# Altium PCB AMC_Box_Mainboard.PcbDoc (part 6 of 8) (continued)
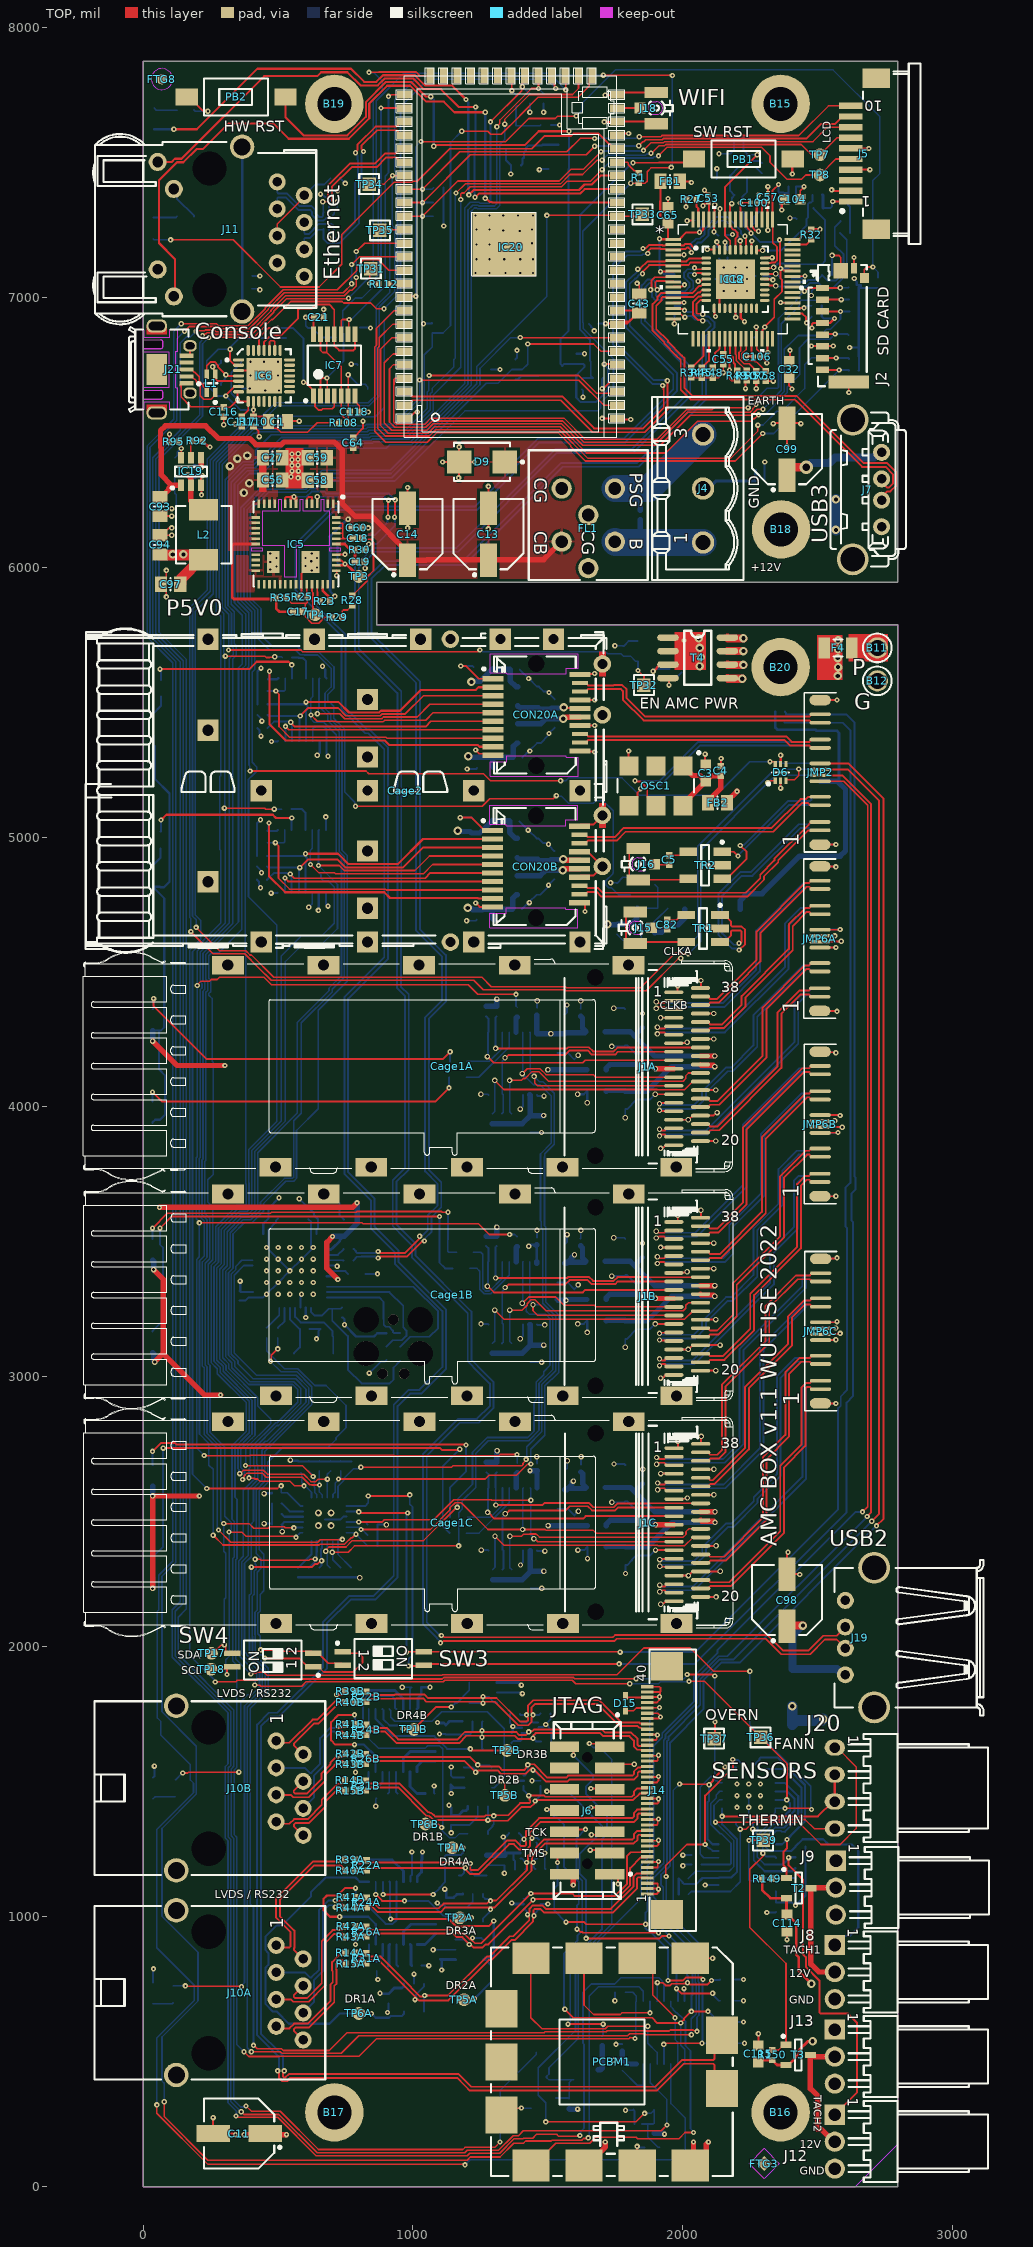
[diagram p0: TOP view]
## Nets (pads, with @x,y where several pads share a name; then routed paths per layer and width w, separated by ;. In a path a pad name is that pad's centre, name@x,y a point inside that pad or via, vN(x,y) a via of type N, cw(c..) or ccw(c..) an arc to the next point about the centre after c; other vN are vias at no path point) (continued)
  BTM w10: v1(877.95,716.54) 881.89,716.54 883.86,714.57 C7A.2@909.45,714.57 930.8,735.91 959.72,735.91 966.54,742.72 IC13A.1@966.54,751.97 ; IC10B.16@1014.76,1769.69 1018.62,1773.54 1018.62,1809.96 1030.32,1821.65 C67B.2@1030.32,1850.39 v1(1062.99,1850.39) ; IC10A.16@1015.95,1129.92 1015.95,1149.61 1031.5,1165.16 C67A.2@1031.5,1210.63 1033.58,1212.71 1033.58,1238.3 v1(1035.43,1240.16) ; v1(1091.16,1719.86) 1093.78,1719.86 1095.81,1717.83 1114.84,1717.83 C9B.2@1122.05,1710.63 1135.83,1724.41 IC4B.1@1183.07,1724.41 ; C8A.2@1102.36,842.52 C8A.2@1103.35,841.54 ; v1(1106.3,803.15) 1106.3,838.58 C8A.2@1103.35,841.54 ; v1(1118.11,1102.36) 1123.23,1097.24 C9A.2@1123.23,1070.87 1150.79,1070.87 1163.3,1083.38 1182.98,1083.38 IC4A.1@1184.25,1084.65 ; v1(1133.86,1413.39) 1133.86,1410.93 1141.73,1403.05 C7B.2@1141.73,1375.98 1169.29,1375.98 1186.1,1392.8 1195.94,1392.8 1202.76,1399.61 IC13B.1@1202.76,1409.45 ; C8B.2@1140.55,1488.19 C8B.2@1141.14,1487.6 ; v1(1141.73,1456.69) 1141.14,1457.28 C8B.2@1141.14,1487.6 ; IC11A.1@1157.48,840.55 1156.5,841.54 C8A.2@1103.35,841.54 ; IC11B.1@1188.98,1478.35 1150.39,1478.35 C8B.2@1141.14,1487.6 ; IC2B.1@1311.02,1868.11 1391.73,1868.11 v1(1401.57,1858.27) ; v1(1334.65,1295.28) 1334.65,1292.65 1339.76,1287.54 C6A.2@1339.76,1228.35 1347.64,1236.22 1372.64,1236.22 D3A.5@1397.64,1236.22 ; v1(1366.14,1051.18) 1370.08,1047.24 D4A.5@1409.84,1047.24 ; v1(1370.08,1704.72) 1374.02,1704.72 1377.95,1700.79 D3B.5@1401.97,1700.79 ; v1(1385.83,1503.94) D4B.5@1409.84,1503.94 ; v1(1429.13,3484.25) 1434.49,3489.61 1447.16,3489.61 ; IC14B.16@1458.84,3426.62 1458.84,3477.93 1447.16,3489.61 ; C36B.1@1459.82,3489.61 1447.16,3489.61 ; R96.2@2517.5,7379 2519,7377.5 2519,7331.5 R77.2@2520.5,7330
  BTM w20: v2(35.43,2216.54) 36.36,2217.48 LD7C.1@36.36,2252.2 ; v2(35.43,2559.06) 36.36,2560 LD6C.2@36.36,2594.72 ; v2(35.43,4244.09) LD6A.2@35.43,4283.46 ; LD7B.1@35.55,3090.24 39.33,3086.46 39.33,3059.12 v2@43.31,3055.14 ; LD6B.2@35.55,3432.76 39.33,3428.98 39.33,3397.7 v2(39.37,3397.64) ; v4(1166,5023) 1168.2,5020.8 1211.31,5020.8 1217.08,5015.03 1247.48,5015.03 1292.76,5060.31 1356.26,5060.31 C50B.1@1358.46,5058.11 1358.46,5016.77 1380.12,4995.12 FB6B.1@1386.02,4995.12 ; v4(1202.95,4737.24) 1205.15,4735.04 1218.4,4735.04 1222.11,4731.34 1256.44,4731.34 1258.41,4733.31 1294.49,4733.31 ; v4(1204.72,5299.21) 1207.84,5299.21 1211.77,5295.28 1296.26,5295.28 ; v4(1216.54,5574.8) 1218.74,5577 1249.25,5577 1294.53,5622.28 1358.03,5622.28 C50A.1@1360.24,5620.08 1360.24,5578.74 1381.89,5557.09 FB6A.1@1387.8,5557.09 ; R86A.2@1270.73,4372.6 R6A.2@1310.1,4372.6 1311.01,4373.51 v2(1311.02,4399.56) ; R86B.2@1270.85,3521.89 R6B.2@1310.22,3521.89 1310.22,3553.86 v2(1311.14,3554.8) ; R86C.2@1271.65,2683.86 R6C.2@1311.02,2683.86 1311.02,2725.48 v2(1311.95,2726.43) ; IC2A.1@1272.83,1228.35 C6A.2@1339.76,1228.35 ; R74A.2@1294.35,3937.96 R80A.2@1329.78,3937.96 R12A.2@1365.22,3937.96 1404.78,3937.96 1435.1,3968.27 C33A.2@1436.08,3968.27 ; R74B.2@1294.47,3087.25 R80B.2@1329.9,3087.25 R12B.2@1365.33,3087.25 1404.9,3087.25 1435.22,3117.56 C33B.2@1436.2,3117.56 ; R74C.2@1295.28,2249.21 R80C.2@1330.71,2249.21 R12C.2@1366.14,2249.21 1405.71,2249.21 1436.02,2279.53 C33C.2@1437.01,2279.53 ; C48B.2@1299.41,4693.94 1294.49,4698.86 1294.49,4733.31 ; C48A.2@1301.18,5255.91 1296.26,5260.83 1296.26,5295.28 ; FB5B.1@1386.02,4786.46 1383.15,4786.46 1370.51,4773.82 1370.51,4735.51 C49B.1@1368.31,4733.31 1294.49,4733.31 ; FB5A.1@1387.8,5348.43 1384.92,5348.43 1372.28,5335.79 1372.28,5297.48 C49A.1@1370.08,5295.28 1296.26,5295.28 ; IC14A.2@1433.13,4045.04 1434.27,4043.9 1434.27,3970.08 C33A.2@1436.08,3968.27 ; IC14B.2@1433.25,3194.33 1434.39,3193.19 1434.39,3119.37 C33B.2@1436.2,3117.56 ; v1(1433.81,2652.81) 1434.42,2652.19 1460.01,2652.19 C36C.1@1460.63,2651.57 1459.65,2650.59 IC14C.16@1459.65,2588.58 ; IC14C.2@1434.06,2356.3 1435.2,2355.16 1435.2,2281.34 C33C.2@1437.01,2279.53 ; IC14B.16@1458.84,3421.85 IC14B.16@1458.84,3426.62 ; C36B.1@1458.84,3488.62 C36B.1@1459.33,3489.12 ; C36A.1@1459.71,4340.32 1458.72,4339.33 IC14A.16@1458.72,4277.33 1458.72,4272.56 1459.86,4271.42 v2(1510.97,4271.42) C16A.1@1562.07,4271.42 1566.01,4275.36 1636.87,4275.36 FB7A.1@1640.81,4279.29 1628.17,4291.93 1628.17,4329.33 C34A.1@1621.12,4336.38 ; v2(1484.25,3968.5) 1484,3968.27 C33A.2@1436.08,3968.27 ; v2(1484.37,3117.79) 1484.11,3117.56 C33B.2@1436.2,3117.56 ; v2(1485.18,2279.76) 1484.92,2279.53 C33C.2@1437.01,2279.53 ; v2(1500,4137.8) 1534.29,4137.78 C25A.2@1534.51,4137.56 FB3A.1@1644.75,4137.56 ; v2@1500.94,2449.04 1535.21,2449.04 C25C.2@1535.43,2448.82 FB3C.1@1645.67,2448.82 ; C25B.2@1534.63,3286.85 1538,3283.48 v2(1566.93,3283.46) ; v2@1566.93,3286.85 FB3B.1@1644.86,3286.85 ; R70.2@1578.74,288.58 1579.92,287.4 v1(1610.24,287.4) ; v2(1594.49,2614.17) 1589.41,2609.09 1589.41,2602.2 1569.88,2582.68 C16C.1@1562.99,2582.68 1566.93,2586.61 1637.8,2586.61 FB7C.1@1641.73,2590.55 1629.09,2603.19 1629.09,2640.59 C34C.1@1622.05,2647.64 ; v2(1598.43,3452.76) 1588.6,3442.93 1588.6,3440.24 1569.08,3420.71 C16B.1@1562.19,3420.71 1566.12,3424.65 1636.99,3424.65 FB7B.1@1640.93,3428.58 1628.29,3441.22 1628.29,3478.62 C34B.1@1621.24,3485.67 ; v4(1720.47,4677.17) 1722.44,4675.2 C29.2@1755.91,4675.2 1758.11,4677.4 1790.59,4677.4 1796.26,4683.07 T6.2@1805.12,4683.07 1813.98,4683.07 1829.29,4698.39 1829.29,4734.8 R53.2@1830.71,4736.22 ; v1(1744.09,468.5) 1774.41,468.5 R68.2@1775.59,467.32 ; C81.2@1775.59,501.97 R68.2@1775.59,467.32 ; IC17.16@1827.76,454.72 1795.63,454.72 1784.45,465.91 1777.01,465.91 R68.2@1775.59,467.32 ; R88.2@1893.7,198.03 1928.41,198.03 v1(1931.71,194.73)
  other v2: 1500.92,2449.05
  other v4: 374.02,6275.59 393.7,6311.02 322.28,6374.57 349.83,6402.13 385.83,6413.39
P3V3_CLEAN: C3.2 C4.2 FB2.2 OSC1.1 OSC1.6 | length 419.1
  TOP w7: OSC1.6@2000,5116.14 OSC1.6@2025.43,5141.57
  TOP w20: OSC1.1@2000,5263.78 2035.78,5228 2062.75,5228 2075.35,5215.39 2075.35,5214.41 2084.06,5205.71 C3.2@2085.04,5205.71 ; OSC1.6@2025.43,5141.57 2025.43,5147.09 2084.55,5206.2 2105.71,5227.36 C4.2@2140.16,5227.36 2140.16,5180.12 2092.91,5132.87 FB2.2@2092.91,5126.97
P5V0: C10.2 C94.2 C97.2 F1.1 F2.1 IC21.2 IC21.7 L2.2 R94.2 | length 2176.8
  TOP w20: v1(61,3628) 61.43,3628.43 776.43,3628.43 v1(793,3645) ; v1(702,3520) 680.81,3498.81 680.81,3402.19 v1(722,3361)
  TOP w40: C94.2@62.99,6047.24 65.63,6044.61 207.36,6044.61 L2.2@224.41,6027.56 211.61,6027.56 140.43,5956.38 140.43,5939.65 C97.2@137.8,5937.01
  BTM w6: v4@110.24,6051.18 123.87,6064.81 123.87,6267.62 118.03,6273.46 R94.2@118.03,6367.8
  BTM w10: IC21.7@680.81,3373.31 680.89,3373.24 707.14,3373.24 719.38,3361 v1(722,3361) ; IC21.2@680.81,3471.74 696.4,3471.74 701.44,3476.78 702.63,3476.78 729.31,3503.47 729.31,3506.8 743.02,3520.5 C10.2@744,3520.5
  BTM w20: v1(702,3520) 702.5,3520.5 C10.2@743.02,3520.5 ; C10.2@744,3520.5 744.98,3520.5 793,3568.52 v1(793,3645)
  BTM w40: v4(2405.51,1779.53) F1.1@2405.51,1712.01 2420.55,1727.05 2514.45,1727.05 v4(2519.69,1732.28) ; v4(2566.93,6137.8) 2566.93,6196.26 F2.1@2562.99,6200.2 2566.93,6204.13 v4(2566.93,6250.98)
  other v4: 110.24,6047.24 149.61,6047.24
P12V: C13.1 C14.1 C30.2 C58.2 C59.2 C60.2 C64.2 C93.2 C114.2 C115.2 D9.1 FL1.2 IC5.1 IC5.2 IC5.39 IC5.52 IC19.1 R23.2 R109.2 R149.2 R150.2 T2.2 T3.2 T4.1 T4.2 T4.3 | length 3711.9
  TOP w10: IC5.39@665.35,5925.28 665.35,5914.05 686.09,5893.32 686.09,5879.42 R23.2@692.5,5873 ; R23.2@692.5,5873.79 v1(710.88,5892.16) ; v1(1889.76,5614.17) 1890.92,5614.17 1915.72,5638.98 T4.3@1944.88,5638.98 2042.13,5638.98 2043.31,5637.8 ; T4.1@1944.88,5738.98 1947.56,5736.3 1993.37,5736.3 2001.32,5728.35 v1(2003.94,5728.35) ; C115.2@2279.53,460.63 2288.58,469.69 R150.2@2330.71,469.69 2331.5,469.69 2337.91,463.27 2337.91,462.48 2349.61,450.79 T3.2@2381.89,450.79 2390.75,450.79 2429.13,489.17 2429.13,503.94 2464.57,539.37 v4(2480.32,539.37) ; R149.2@2293.7,1141.73 2293.7,1100 2324.8,1068.9 T2.2@2383.86,1068.9 2383.86,1009.84 C114.2@2385.83,1007.87 2386.81,1007.87 2420.35,974.33 2420.35,859.17 2429.13,850.39 2429.13,799.21 v4(2476.38,751.97)
  TOP w20: C93.2@62.99,6259.84 68.9,6259.84 94.58,6285.53 94.58,6291.43 106.3,6303.15 ; IC19.1@140.16,6303.15 106.3,6303.15 ; FL1.2@1551.18,6094.49 1484.25,6027.56 1052.53,6027.56 1047.22,6025.96 1041.3,6025.62 cw(c1040.16,6045.59) 1040.16,6025.59 C14.1@980.32,6025.59 980.31,6056.1 847.87,6188.55 785.22,6188.55 738.03,6235.74 738.03,6435.2 709.49,6463.74 522.29,6463.74 512.45,6453.9 418.42,6453.9 395.94,6476.38 279.53,6476.38 232.28,6523.62 82.68,6523.62 64.8,6505.75 64.8,6444.14 66.93,6442.02 66.93,6342.52 106.3,6303.15
  BTM w7.87: 692.91,5913.39 694.41,5911.89 694.41,5908.63 v1(710.88,5892.16)
  BTM w10: 690.94,6112.2 692.91,6114.17 ; 692.91,5913.39 692.91,6114.17 ; v1(759.84,6177.17) 755.91,6173.23 751.97,6173.23 708.66,6129.92 ; v1(1889.76,5614.17) 1899.61,5624.02 C30.2@1948.82,5624.02 ; R109.2@2002.76,5692.91 2003.35,5693.5 2003.35,5727.76 v1(2003.94,5728.35) ; 692.91,6114.17 708.66,6129.92 ; 692.91,6114.17 708.66,6129.92
  other v4: 2062,5633 2066.93,5665.35 2062.99,5700.79 2059.06,5736.22
P12V_1: J8.2 J9.2 T2.3 | length 475.1
  TOP w20: J8.2@2562.8,795.28 2503.94,795.28 2474.41,824.8 T2.3@2474.41,1106.3 2475.2,1107.09 2565.94,1107.09 J9.2@2566.73,1107.87
P12V_2: J12.2 J13.2 T3.3 | length 461.7
  TOP w20: J12.2@2562.8,166.93 2558.81,166.93 2513.14,212.6 2500,212.6 2500,335.71 2472.44,363.27 T3.3@2472.44,488.19 2481.3,488.19 2487.6,481.89 J13.2@2562.8,481.89
PDI: IC21.10 J17.4 | length 510.6
  BTM w7: IC21.10@680.81,3314.26 912.74,3314.26 964,3263 964,3183.62 975.78,3171.85 975.78,3152.15 959.4,3135.78 925.78,3135.78 J17.4@902,3112
PDO: IC21.11 J17.1 | length 378.3
  BTM w7: IC21.11@680.81,3294.57 874.43,3294.57 891,3278 891,3214 891.99,3213.01 891.99,3193.01 899.22,3185.78 911.85,3185.78 925.78,3171.85 925.78,3166.31 929.88,3162.21 J17.1@951.79,3162.21
PHY_RD_N: D7.3 IC20.E_RX- J11.6 | length 821.4
  TOP w7: v1(817.04,7539.48) 817.04,7541.91 809.02,7549.93 809.02,7560.22 867.19,7618.39 939.9,7618.39 944,7614.29 944,7610.89 954.5,7600.39 IC20.E_RX-@968.5,7600.39
  BTM w7: J11.6@597.24,7176.97 597.24,7215.87 601.34,7219.97 619.43,7219.97 649.39,7249.92 666.89,7249.92 D7.3@669.29,7252.32 ; D7.3@669.29,7252.36 669.29,7214.61 682.4,7201.5 729.17,7201.5 800,7272.33 800,7422.15 809.98,7432.13 809.98,7514.96 809.02,7515.93 809.02,7529.04 817.04,7537.06 v1(817.04,7539.48)
PHY_RD_P: D7.1 IC20.E_RX+ J11.4 | length 825.5
  TOP w7: v1(787,7535) 787,7537.43 795.02,7545.44 795.02,7566.02 861.39,7632.39 939.9,7632.39 944,7636.49 944,7639.89 954.5,7650.39 IC20.E_RX+@968.5,7650.39
  BTM w7: J11.4@597.24,7276.97 597.24,7238.07 601.34,7233.97 613.64,7233.97 651.48,7271.81 698.29,7271.81 706.26,7263.84 706.26,7254.77 D7.1@708.66,7252.36 708.66,7224.41 717.57,7215.5 723.37,7215.5 786,7278.13 786,7427.95 795.98,7437.93 795.98,7509.16 795.02,7510.13 795.02,7524.56 787,7532.57 v1(787,7535)
PHY_TD_N: D7.6 IC20.E_TX- J11.3 | length 750.1
  TOP w7: v1(719.68,7353.34) 719.43,7353.6 704.01,7353.6 699.91,7357.7 699.91,7408.57 773.38,7482.05 865.85,7482.05 901.8,7518 925.01,7518 925.4,7518.39 936.5,7518.39 954.5,7500.39 IC20.E_TX-@968.5,7500.39
  BTM w7: J11.3@497.24,7326.97 497.24,7365.87 501.34,7369.97 528.27,7369.97 574.99,7323.25 618.74,7323.25 625.39,7316.59 625.39,7304.99 646.85,7283.53 668.58,7283.53 680.17,7295.12 698.29,7295.12 703.11,7299.94 703.11,7303.7 708.66,7309.25 D7.6@708.66,7314.57 708.66,7319.88 719.68,7330.91 v1(719.68,7353.34)
PHY_TD_P: D7.4 IC20.E_TX+ J11.1 | length 726.2
  TOP w7: v1(666.14,7353.85) 666.4,7353.6 681.81,7353.6 685.91,7357.7 685.91,7414.37 767.59,7496.05 860.05,7496.05 896,7532 919.21,7532 919.6,7532.39 936.5,7532.39 954.5,7550.39 IC20.E_TX+@968.5,7550.39
  BTM w7: J11.1@497.24,7426.97 497.24,7388.07 501.34,7383.97 534.07,7383.97 580.79,7337.25 624.53,7337.25 639.39,7322.39 639.39,7310.79 652.65,7297.53 662.79,7297.53 666.89,7301.63 666.89,7312.16 D7.4@669.29,7314.57 667.72,7316.14 667.72,7352.28 v1(666.14,7353.85)
PROG_TRST: D12.3 R71.2 | length 99.3
  BTM w20: D12.3@1687.01,433.07 1694.88,433.07 1700.79,438.98 R71.2@1700.79,522.05
PSG: C63.1 FL1.3 J4.3 | length 503.7
  BTM w20: C63.1@1842.52,6210.63 1842.52,6259.06 1874.8,6291.34
  BTM w100: FL1.3@1748.03,6291.34 1874.8,6291.34 J4.3@2074.8,6491.34
PWM1: IC1.1 IC9.15 R149.1 T2.1 | length 745.9
  TOP w7.87: R149.1@2330.71,1141.73 2381.89,1141.73 T2.1@2383.86,1143.7 2383.86,1179.68 2373.5,1190.04 2373.5,1241.3 2385.56,1253.37 v1(2385.56,1286.53)
  BTM w7.87: IC9.15@2259.84,1547.24 2259.84,1557.09 2283.46,1580.71 2283.46,1585.94 2288.08,1590.55 2350.39,1590.55 2452.76,1488.19 2452.76,1374.02 2453.43,1373.34 2453.43,1366.82 2452.76,1366.14 2452.76,1354.33 2398.49,1300.06 2398.49,1299.46 v1(2385.56,1286.53) 2367.84,1268.81 IC1.1@2345.2,1268.81
PWM2: IC1.3 IC9.1 R150.1 T3.1 | length 1293.2
  TOP w6: v1(2296.24,1235.25) 2298.86,1232.64 2298.86,1227.66 2299.41,1227.11 2248.03,1175.74 2248.03,960.63 2381.89,826.77 T3.1@2381.89,525.59 2373.03,525.59 2354.13,506.69 R150.1@2330.71,506.69
  BTM w6: v1@2299.21,1232.28 v1(2296.24,1235.25) 2296.24,1284.43 2342.52,1330.71 2374.02,1330.71
  BTM w7.87: v1@2299.21,1232.28 2308.74,1222.75 2341.27,1222.75 IC1.3@2345.2,1218.81 ; IC9.1@2342.52,1496.06 2377.95,1496.06 2427.56,1446.46 2427.56,1382.38 2375.88,1330.71 2374.02,1330.71
QSFP_VCC1A: C39A.1 C40A.1 FB7A.2 J1A.30 | length 538.4
  TOP w19.68: J1A.30@2065.22,4188.74 2065.38,4188.9 2118.03,4188.9 v2(2118.11,4188.98)
  BTM w19.68: FB7A.2@1711.67,4279.29 1804.76,4279.29 1819.94,4264.11 ; C40A.1@1849.47,4293.07 1820.51,4264.11 1819.94,4264.11 ; v2(2118.11,4188.98) 1895.08,4188.98 1819.94,4264.11
QSFP_VCC1B: C39B.1 C40B.1 FB7B.2 J1B.30 | length 538.4
  TOP w19.68: J1B.30@2065.34,3338.03 2065.5,3338.19 2118.15,3338.19 v2(2118.23,3338.27)
  BTM w19.68: FB7B.2@1711.79,3428.58 1804.88,3428.58 1820.06,3413.4 ; C40B.1@1849.59,3442.36 1820.62,3413.4 1820.06,3413.4 ; v2(2118.23,3338.27) 1895.19,3338.27 1820.06,3413.4
QSFP_VCC1C: C39C.1 C40C.1 FB7C.2 J1C.30 | length 538.4
  TOP w19.68: J1C.30@2066.14,2500 2066.3,2500.16 2118.96,2500.16 v2(2119.03,2500.23)
  BTM w19.68: FB7C.2@1712.6,2590.55 1805.68,2590.55 1820.87,2575.37 ; C40C.1@1850.39,2604.33 1821.43,2575.37 1820.87,2575.37 ; v2(2119.03,2500.23) 1896,2500.23 1820.87,2575.37
QSFP_VCCRXA: C15A.1 C41A.1 FB3A.2 J1A.10 | length 268.9
  TOP w19.68: v2(1897.64,4141.73) 1897.87,4141.5 J1A.10@1966.4,4141.5
  BTM w19.68: FB3A.2@1715.61,4137.56 1715.61,4143.47 1729.39,4157.25 C41A.1@1786.48,4157.25 1882.02,4157.25 1897.53,4141.73 v2(1897.64,4141.73)
QSFP_VCCRXB: C15B.1 C41B.1 FB3B.2 J1B.10 | length 268.9
  TOP w19.68: v2(1897.75,3291.02) 1897.99,3290.79 J1B.10@1966.52,3290.79
  BTM w19.68: FB3B.2@1715.73,3286.85 1715.73,3292.76 1729.51,3306.54 C41B.1@1786.59,3306.54 1882.13,3306.54 1897.65,3291.02 v2(1897.75,3291.02)
QSFP_VCCRXC: C15C.1 C41C.1 FB3C.2 J1C.10 | length 268.9
  TOP w19.68: v2(1898.56,2452.99) 1898.8,2452.76 J1C.10@1967.33,2452.76
  BTM w19.68: FB3C.2@1716.54,2448.82 1716.54,2454.72 1730.32,2468.5 C41C.1@1787.4,2468.5 1882.94,2468.5 1898.46,2452.99 v2(1898.56,2452.99)
QSFP_VCCTXA: C37A.1 C38A.1 FB4A.2 J1A.29 | length 497.8
  TOP w19.68: J1A.29@2065.22,4157.25 2068.17,4154.29 2113.42,4154.29 v2(2118.11,4149.61)
  BTM w19.68: FB4A.2@1715.61,4058.82 1717.58,4060.79 1784.51,4060.79 1786.48,4058.82 1867.78,4058.82 1958.56,4149.61 v2(2118.11,4149.61)
QSFP_VCCTXB: C37B.1 C38B.1 FB4B.2 J1B.29 | length 497.8
  TOP w19.68: J1B.29@2065.34,3306.54 2068.29,3303.58 2113.54,3303.58 v2(2118.23,3298.9)
  BTM w19.68: FB4B.2@1715.73,3208.11 1717.7,3210.08 1784.63,3210.08 1786.59,3208.11 1867.89,3208.11 1958.68,3298.9 v2(2118.23,3298.9)
QSFP_VCCTXC: C37C.1 C38C.1 FB4C.2 J1C.29 | length 497.8
  TOP w19.68: J1C.29@2066.14,2468.5 2069.1,2465.55 2114.35,2465.55 v2(2119.03,2460.86)
  BTM w19.68: FB4C.2@1716.54,2370.08 1718.5,2372.05 1785.43,2372.05 1787.4,2370.08 1868.7,2370.08 1959.49,2460.86 v2(2119.03,2460.86)
ResetLA: IC14A.9 J1A.9 R86A.1 | length 858.2
  TOP w7: v2(1275.87,4186.82) 1277.27,4186.82 1300.21,4163.88 1629.4,4163.88 1638.51,4172.99 J1A.9@1966.4,4172.99
  BTM w7: R86A.1@1270.73,4335.59 1271.52,4335.59 1279.43,4327.68 1279.43,4317.45 1279.53,4317.35 1279.53,4277.33 1277.73,4275.53 1277.73,4188.68 v2(1275.87,4186.82)
ResetLB: IC14B.9 J1B.9 R86B.1 | length 858.2
  TOP w7: v2(1275.99,3336.11) 1277.38,3336.11 1300.33,3313.17 1629.51,3313.17 1638.63,3322.29 J1B.9@1966.52,3322.29
  BTM w7: R86B.1@1270.85,3484.88 1271.63,3484.88 1279.55,3476.97 1279.55,3466.74 1279.64,3466.64 IC14B.9@1279.71,3426.62 1277.85,3424.82 1277.85,3337.97 v2(1275.99,3336.11)
ResetLC: IC14C.9 J1C.9 R86C.1 | length 858.2
  TOP w7: v2(1276.8,2498.08) 1278.19,2498.08 1301.14,2475.13 1630.32,2475.13 1639.44,2484.25 J1C.9@1967.33,2484.25
  BTM w7: R86C.1@1271.65,2646.85 1272.44,2646.85 1280.36,2638.93 1280.36,2628.7 1280.45,2628.61 IC14C.9@1280.51,2588.58 1278.65,2586.79 1278.65,2499.94 v2(1276.8,2498.08)
RESETn: C22.2 C23.2 IC8.26 IC12.49 R102.1 | length 443.1
  TOP w7: IC8.26@2303.15,7125.98 2303.92,7126.75 2327.04,7126.75 2328.77,7128.49 2341.08,7128.49 2348.77,7136.17 2348.77,7186.66 2333.03,7202.41 2333.03,7287.58 IC12.49@2332.68,7287.93 2332.68,7395.67 v1(2354.33,7417.32)
  BTM w7: v1(2354.33,7417.32) R102.1@2354.33,7388.58 2372.44,7388.58 2374.76,7386.26 2387.36,7386.26 C22.2@2391.73,7381.89 C23.2@2391.73,7409.45
RS0A: CON20A.7 IC3A.7 | length 828.5
  TOP w7: v1(528.17,5410.06) 528.17,5408.84 539.57,5397.44 CON20A.7@1296.26,5397.44
  BTM w7: IC3A.7@526.57,5356.3 527.37,5357.1 527.37,5409.26 v1(528.17,5410.06)
RS0B: CON20B.7 IC3B.7 | length 828.5
  TOP w7: v1(526.4,4848.09) 526.4,4846.87 537.8,4835.47 CON20B.7@1294.49,4835.47
  BTM w7: IC3B.7@524.8,4794.33 525.6,4795.13 525.6,4847.29 v1(526.4,4848.09)
RS1_CTSA: IC10A.8 R21A.2 | length 91.3
  BTM w7: R21A.2@787.4,826.77 795.32,834.69 795.32,836.46 836.81,877.95 IC10A.8@836.81,897.64
RS1_CTSB: IC10B.8 R21B.2 | length 107
  BTM w7: R21B.2@786.22,1466.54 812.99,1466.54 835.63,1489.17 IC10B.8@835.63,1537.4
RS1_RTSA: IC10A.14 R16A.2 | length 234.9
  BTM w10: R16A.2@786.22,1210.63 923.23,1210.63 964.76,1169.09 IC10A.14@964.76,1129.92
RS1_RTSB: IC10B.14 R16B.2 | length 228.4
  BTM w9.84: R16B.2@786.22,1838.58 933.07,1838.58 963.58,1808.07 IC10B.14@963.58,1769.69
RS1_RXA: IC10A.13 R20A.2 | length 324.5
  BTM w7.87: R20A.2@787.4,1033.46 839.62,1033.46 899.46,973.62 924.99,973.62 939.17,987.81 IC10A.13@939.17,1129.92
RS1_RXB: IC10B.13 R20B.2 | length 316.6
  BTM w7.87: R20B.2@786.22,1673.23 786.22,1674.02 793.7,1681.5 803.54,1681.5 814.96,1692.91 814.96,1803.15 830.71,1818.9 921.26,1818.9 933.07,1807.09 933.07,1774.61 IC10B.13@937.99,1769.69
RS1_TXA: IC10A.7 R17A.2 | length 500.2
  TOP w7.87: v1(728.35,1000) 692.91,1000 669.29,1023.62 669.29,1066.93 681.46,1079.09 720.78,1079.09 747.99,1106.3 v1(787.4,1106.3)
  BTM w7.87: v1(728.35,1000) 834.65,1000 862.4,972.24 IC10A.7@862.4,897.64 ; R17A.2@787.4,1072.83 v1(787.4,1106.3)
RS1_TXB: IC10B.7 R17B.2 | length 448
  TOP w7.87: v1(783.46,1637.8) 712.6,1637.8 696.85,1653.54 696.85,1720.47 724.41,1748.03 v1(783.46,1748.03)
  BTM w7.87: v1(783.46,1637.8) 818.9,1637.8 861.22,1595.47 IC10B.7@861.22,1537.4 ; v1(783.46,1748.03) 784.84,1746.65 784.84,1713.98 R17B.2@786.22,1712.6
RS1RA: CON20A.9 IC3A.9 R51A.1 | length 1131.2
  TOP w7.87: v1(468.5,5614.17) 468.5,5417.32 528.28,5357.55 895.57,5357.55 911.78,5341.34 1239.95,5341.34 1246.84,5334.45 CON20A.9@1296.26,5334.45
  BTM w7.87: v1(468.5,5614.17) 466.24,5611.91 466.24,5588.49 R51A.1@462.4,5584.65 497.05,5584.65 IC3A.9@500.98,5588.58
RS1RB: CON20B.9 IC3B.9 R51B.1 | length 1131.2
  TOP w7.87: v1(466.73,5052.2) 466.73,4855.35 526.51,4795.58 893.8,4795.58 914.97,4774.41 1239.95,4774.41 1241.88,4772.48 CON20B.9@1294.49,4772.48
  BTM w7.87: v1(466.73,5052.2) 464.47,5049.94 464.47,5026.52 R51B.1@460.63,5022.68 495.28,5022.68 IC3B.9@499.21,5026.61
RX1A_N: J1A.18 JMP5A.13 | length 964.6
  TOP w7: v2(1913.39,3892.88) 1916.93,3892.88 1922.33,3898.28 1933.93,3898.28 1933.93,3895.3 1939.69,3889.53 J1A.18@1966.4,3889.53
  BTM w7: v2(1913.39,3892.88) 1916.93,3892.88 1922.33,3898.28 2091.31,3898.28 2427.39,4234.36 2427.39,4384.38 2460.22,4417.21 2468.77,4417.21 2477.32,4408.66 JMP5A.13@2508.74,4408.66
RX1A_P: J1A.17 JMP5A.12 | length 964.6
  TOP w7: v2(1913.39,3917.68) 1916.93,3917.68 1922.33,3912.28 1933.93,3912.28 1933.93,3915.26 1939.69,3921.03 J1A.17@1966.4,3921.03
  BTM w7: v2(1913.39,3917.68) 1916.93,3917.68 1922.33,3912.28 2085.51,3912.28 2413.39,4240.16 2413.39,4390.18 2454.42,4431.21 2468.77,4431.21 2477.32,4439.76 JMP5A.12@2508.74,4439.76
RX1B_N: J1B.18 JMP5B.13 | length 1113.3
  TOP w7: v2(1913.5,3042.17) 1917.04,3042.17 1922.44,3047.57 1934.04,3047.57 1934.04,3044.59 1939.81,3038.82 J1B.18@1966.52,3038.82
  BTM w7: v2(1913.5,3042.17) 1917.04,3042.17 1922.44,3047.57 2041.86,3047.57 2336.95,3342.66 2336.95,3460.31 2425.2,3548.56 2425.2,3720.47 2435.32,3730.6 2467.9,3730.6 2476.45,3722.05 JMP5B.13@2507.87,3722.05
RX1B_P: J1B.17 JMP5B.12 | length 1113.3
  TOP w7: v2(1913.5,3066.97) 1917.04,3066.97 1922.44,3061.57 1934.04,3061.57 1934.04,3064.55 1939.81,3070.32 J1B.17@1966.52,3070.32
  BTM w7: v2(1913.5,3066.97) 1917.04,3066.97 1922.44,3061.57 2036.06,3061.57 2322.95,3348.46 2322.95,3466.11 2411.2,3554.36 2411.2,3726.27 2429.52,3744.6 2467.9,3744.6 2476.45,3753.15 JMP5B.12@2507.87,3753.15
RX1C_N: J1C.18 JMP5C.13 | length 1170.2
  TOP w7: v2(1914.31,2204.13) 1917.85,2204.13 1923.25,2209.54 1934.85,2209.54 1934.85,2206.55 1940.62,2200.79 J1C.18@1967.33,2200.79
  BTM w7: v2(1914.31,2204.13) 1917.85,2204.13 1923.25,2209.54 2042.66,2209.54 2456.69,2623.56 2456.69,2958.67 2461.14,2963.12 2469.69,2963.12 2478.24,2954.56 JMP5C.13@2509.66,2954.56
RX1C_P: J1C.17 JMP5C.12 | length 1170.2
  TOP w7: v2(1914.31,2228.94) 1917.85,2228.94 1923.25,2223.54 1934.85,2223.54 1934.85,2226.52 1940.62,2232.28 J1C.17@1967.33,2232.28
  BTM w7: v2(1914.31,2228.94) 1917.85,2228.94 1923.25,2223.54 2036.87,2223.54 2442.69,2629.36 2442.69,2964.47 2455.34,2977.12 2469.69,2977.12 2478.24,2985.67 JMP5C.12@2509.66,2985.67
RX2A_N: J1A.21 JMP6A.2 | length 775
  TOP w7: J1A.21@2065.22,3905.28 2092.51,3905.28 2101.25,3914.03 2134.5,3914.03 2364.99,4144.52 2364.99,4345.31 2436.9,4417.21 2467.04,4417.21 2475.59,4408.66 JMP6A.2@2507.01,4408.66
RX2A_P: J1A.22 JMP6A.3 | length 775
  TOP w7: J1A.22@2065.22,3936.77 2092.51,3936.77 2101.25,3928.03 2128.7,3928.03 2350.99,4150.32 2350.99,4351.1 2431.1,4431.21 2467.04,4431.21 2475.59,4439.76 JMP6A.3@2507.01,4439.76
RX2B_N: J1B.21 JMP6B.2 | length 938
  TOP w7: J1B.21@2065.34,3054.57 2092.62,3054.57 2101.37,3063.32 2153.87,3063.32 2263.78,3173.23 2263.78,3303.04 2437.01,3476.27 2437.01,3708.26 2459.35,3730.6 2467.9,3730.6 2476.45,3722.05 JMP6B.2@2507.87,3722.05
RX2B_P: J1B.22 JMP6B.3 | length 938
  TOP w7: J1B.22@2065.34,3086.06 2092.62,3086.06 2101.37,3077.32 2148.07,3077.32 2249.78,3179.03 2249.78,3308.83 2423.01,3482.07 2423.01,3714.06 2453.55,3744.6 2467.9,3744.6 2476.45,3753.15 JMP6B.3@2507.87,3753.15